# Altium PCB Solder_guide.PcbDoc
Units mil, origin at the board's own origin, x right, y up, seen from the top; angles counter-clockwise.
Board outline 6000 x 4000 mil, 2 copper layers (Top Layer, Bottom Layer); 20 components, 0 nets, 58 pads, 14 vias.
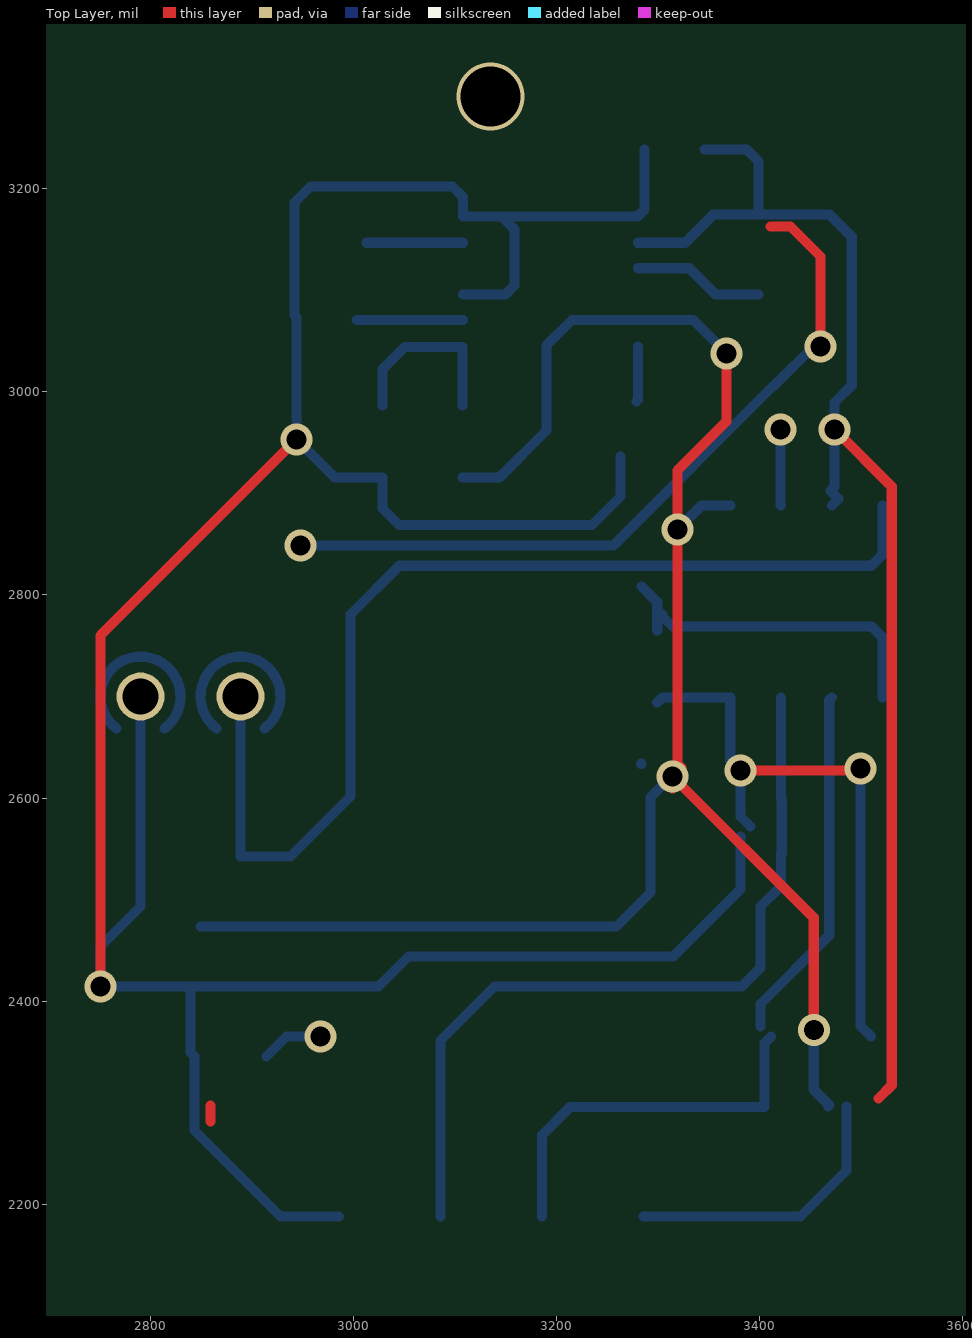
[diagram p0: Top Layer view]
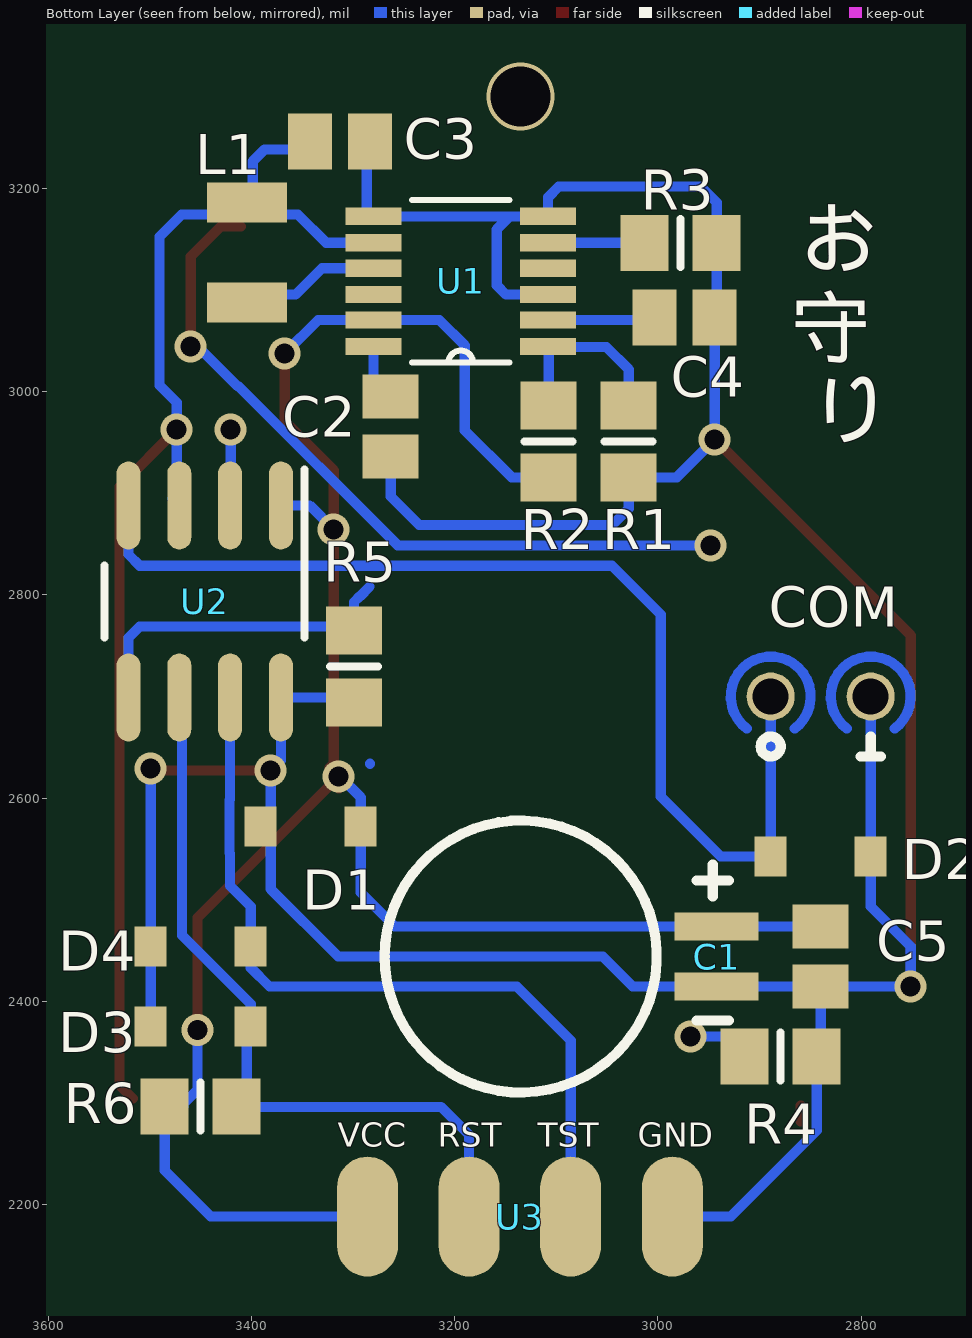
[diagram p1: Bottom Layer view, seen from below]

## Layer stack, top to bottom
Top Solder: solder mask 0.4, Solder Resist, Dk 3.5
Top Layer: signal copper 1.4
Dielectric 1: dielectric 12.6, FR-4, Dk 4.8
Bottom Layer: signal copper 1.4
Bottom Solder: solder mask 0.4, Solder Resist, Dk 3.5

## Board outline
1000,1000 7000,1000 7000,5000 1000,5000

## Design rules (kind name [scope] priority, off if disabled: settings)
Clearance [All] p1: gap=10 ignorepadtopadclearanceinfootprint=FALSE except(0: Arc-Hole Track-Hole SMDPad-Hole THPad-Hole Via-Hole Fill-Hole Poly-Hole Region-Hole Text-Hole)
PolygonConnect [All] p1: connectstyle=Relief reliefconductorwidth=10 reliefentries=4 polygonreliefangle="90 Angle" airgapwidth=10
RoutingVias [All] p1: holewidth=28 width=50 viastyle="Through Hole" minholewidth=28 minwidth=50 maxholewidth=28 maxwidth=50
SolderMaskExpansion [All] p1: expansion=4
Width [All] p1: maxlimit=10 minlimit=10 preferedwidth=10
30 further rules are at their usual default settings.

## Components (designator, comment, footprint, x,y, rotation, side; value= is the part's Value field where it differs from the comment)
C1 "DMS3R3224R Supercap" "DMS3R3224R SUPERCAP" 3135,2444.09 r180 bottom
C2 "Cap Semi" C0805 3262.95,2965.75 r90 bottom value=1uF
C3 "Cap Semi" C0805 3312.98,3246.26 r0 bottom value=10uF
C4 "Cap Semi" C0805 2973.58,3073.17 r180 bottom value=4.7uF
C5 "Cap Semi" C0805 2839.72,2444.09 r90 bottom value=100pF
COM "COM" SYNCHRONIZER 2790.51,2700 r90 bottom
D1 "ESD-Diode" SCHUTZDIODE 3302.32,2601.57 r0 bottom
D2 "ESD-Diode" SCHUTZDIODE 2879.09,2512.99 r180 bottom
D3 "ESD-Diode" SCHUTZDIODE 3410.59,2404.72 r0 bottom
D4 "ESD-Diode" SCHUTZDIODE 3410.59,2483.46 r0 bottom
L1 "Inductor" INDUCTIVITY 3463.43,3186.22 r270 bottom
R1 "Res3" 6-0805_N 3028.7,2951.12 r90 bottom value=510k
R2 "Res3" 6-0805_N 3107.44,2951.12 r270 bottom value=1.1M
R3 "Res3" 6-0805_N 2977.52,3146.6 r0 bottom value=300k
R4 "Res3" 6-0805_N 2879.09,2345.67 r0 bottom value=200
R5 "Res3" 6-0805_N 3299.07,2729.53 r90 bottom value=8.2M
R6 "Res3" 6-0805_N 3449.96,2296.46 r0 bottom value=47k
U1 "LTC3105EMSPBF" SOP65P490X110-12N 3194.06,3108.6 r0 bottom
U2 "MSP430G2210IDR" MSP430G2210 3446.02,2793.64 r270 bottom
U3 "Program_connector" PROGRAM_CONNECTOR 3285.79,2188.19 r270 bottom

## Footprints (in the part's own frame and the unit in brackets; to place one, negate y for a bottom-side part, rotate by r counter-clockwise, add the part's x,y. Pads: shape width x height; smd on the part's side, far side on the other; paste and mask are expansions set on the pad)
6-0805_N [mm] "Chip Resistor, Body 2.0x1.2mm, IPC Medium Density"
  rect 1.2x1.4 smd: 1(-0.9,0) 2(0.9,0)
  silkscreen extent 0,-0.6 0,0.6, body extent -1.07,-0.7 1.07,0.7, height 0.7
C0805 [mm] "Chip Capacitor, Body 2.0x1.3mm, IPC High Density"
  rect 1.1x1.4 smd: 1(-0.75,0) 2(0.75,0)
  body extent -1.1,-0.72 1.1,0.72, height 1.4
"DMS3R3224R SUPERCAP" [mm]
  rect 2.1x0.7 smd: 0(4.9,0.75) 1(4.9,-0.75)
  silkscreen extent -3.4,-3.4 5.2,3.4, body extent -3.4,-3.4 5.6,3.4, height 1.8
INDUCTIVITY [mm]
  rect 1x2 smd: 0(0,1.5) 1(2.5,1.5)
  body extent -0.25,0 2.75,3, height 1
MSP430G2210 [mm] "SOIC, 8-Leads, Body 4.9x3.9mm, Pitch 1.27mm, IPC Medium Density"
  oval 2.2x0.6 smd: 1(-2.4,1.905) 2(-2.4,0.635) 3(-2.4,-0.635) 4(-2.4,-1.905) 5(2.4,-1.905) 6(2.4,-0.635) 7(2.4,0.635) 8(2.4,1.905)
  silkscreen extent -3.3,-2.5 0.9,2.5, body extent -3,-2.45 3,2.45, height 1.63
PROGRAM_CONNECTOR [mil]
  oval 118.11x60 smd: 0(0,0) 1(0,100) 2(0,200) 3(0,300)
SCHUTZDIODE [mm]
  rect 0.8x1 smd: 1(-0.25,0.75) 2(2.25,0.75)
  body extent 0,0 2,1.5, height 1.15
SOP65P490X110-12N [mil]
  rect 55x17 smd: 1(-86,64) 2(-86,38) 3(-86,13) 4(-86,-13) 5(-86,-38) 6(-86,-64) 7(86,-64) 8(86,-38) 9(86,-13) 10(86,13) 11(86,38) 12(86,64)
  silkscreen extent -48,-80 48,80
SYNCHRONIZER [mm]
  round 1.2 hole 0.9: GND(0,0) Sync(0,2.5)
  Top Layer lines w0.254: -0.8,-0.6 ccw(c0,0) -0.8,0.6 ; -0.8,1.9 ccw(c0,2.5) -0.8,3.1
  silkscreen extent -1.5,-0.25 -1,2.75

## Part data
C1: Capacity=220mF
C2 C3 C4 C5: "Capacitor (Semiconductor SIM Model)", LatestRevisionDate=29-May-2009, LatestRevisionNote="IPC-7351 Footprint Added.", PackageDescription="Chip Capacitor", PackageReference=C1206, Published=8-Jun-2000, Publisher="Altium Limited"
L1: library part Inductivity
R1 R2 R3 R4 R5 R6: "Resistor", LatestRevisionDate=29-May-2009, LatestRevisionNote="IPC-7351 Footprint Added.", PackageDescription="Chip Resistor", PackageReference=J1-0603, Published=8-Jun-2000, Publisher="Altium Limited"
U1: "Ic Conv Dc/Dc Step Down 12-Msop", Package="MSOP-12 Linear Technology", Availability=Unavailable, MF="Linear Technology/Analog", MP=LTC3105EMS#PBF, Price=None, SnapEDA_Link=https://www.snapeda.com/parts/LTC3105EMS%23PBF/Linear%20Technology/Analog%20Devices/view-part/?ref=snap
U2: "MIXED SIGNAL MICROCONTROLLER, D0008A", Alternate Manufacturer="Texas Instruments", Alternate PartNumber=MSP430G2210ID, ComponentLink1Description="Datasheet Link", ComponentLink1URL=http://www.ti.com/lit/ds/symlink/msp430g2210.pdf, CompType=IC, LatestRevisionDate=2015-05-28, Manufacturer="Texas Instruments", MountType=SMT, PackageReference=D0008A, PartNumber=MSP430G2210IDR, Publisher="Texas Instruments", RoHS=Y, SymbolCreator=Altium, SymbolVersion=2015-05-26, U/M=EA

## Via types
v1: diameter 31.5, hole 19.68, Top Layer to Bottom Layer, 13 vias
v2: diameter 66.93, hole 59.06, Top Layer to Bottom Layer, 1 vias

## Nets (pads, with @x,y where several pads share a name; then routed paths per layer and width w, separated by ;. In a path a pad name is that pad's centre, name@x,y a point inside that pad or via, vN(x,y) a via of type N, cw(c..) or ccw(c..) an arc to the next point about the centre after c; other vN are vias at no path point)
pads on no net: C1.0 C1.1 C2.1 C2.2 C3.1 C3.2 C4.1 C4.2 C5.1 C5.2 COM.GND COM.Sync D1.1 D1.2 D2.1 D2.2 D3.1 D3.2 D4.1 D4.2 L1.0 L1.1 R1.1 R1.2 R2.1 R2.2 R3.1 R3.2 R4.1 R4.2 R5.1 R5.2 R6.1 R6.2 U1.1 U1.2 U1.3 U1.4 U1.5 U1.6 U1.7 U1.8 U1.9 U1.10 U1.11 U1.12 U2.1 U2.2 U2.3 U2.4 U2.5 U2.6 U2.7 U2.8 U3.0 U3.1 U3.2 U3.3
copper on no net: | length 11641.2
  Top Layer w10: v1(2751.14,2414.57) 2751.14,2760.18 v1(2944.05,2953.09) ; 2859.41,2281.83 2859.41,2297.58 ; v1@3314.13,2609.76 v1(3314.13,2621.26) ; v1(3367.28,3037.74) 3367.28,2970.81 3319.06,2922.58 v1(3319.06,2864.37) 3319.06,2634.05 3322.99,2630.12 v1(3314.13,2621.26) ; v1(3381.06,2627.17) 3493.07,2627.17 3497.01,2631.1 v1(3499.17,2628.94) ; 3410.59,3162.6 3430.28,3162.6 3459.8,3133.07 v1(3459.8,3044.49) ; v1(3453.15,2372.01) 3453.15,2482.24 v1(3314.13,2621.26) ; v1(3473.58,2962.93) 3529.92,2906.59 3529.92,2317.36 3516.89,2304.33
  Bottom Layer w10: 2790.51,2700 2790.51,2542.52 2790.51,2493.31 2751.14,2453.94 v1(2751.14,2414.57) 2839.72,2414.57 ; 2849.57,2473.62 2942.09,2473.62 3259.02,2473.62 3292.48,2507.09 3292.48,2572.05 3292.48,2600.76 3312.98,2621.26 v1(3314.13,2621.26) ; 2888.94,2700 2888.94,2542.52 2938.15,2542.52 2997.2,2601.57 2997.2,2780.71 3045.25,2828.75 3509.95,2828.75 3521.02,2839.82 3521.02,2888.13 ; 2914.53,2345.67 2934.21,2365.35 v1(2967.68,2365.35) ; v1(2947.99,2848.76) 3256.13,2848.76 3412.49,3005.12 3413.41,3005.12 v1@3456.29,3048 ; 2985.79,2188.19 2928.31,2188.19 2843.66,2272.83 2843.66,2345.67 2839.72,2349.61 2839.72,2414.57 ; 3003.11,3070.6 3108.06,3070.6 ; 3012.95,3146.6 3108.05,3146.6 ; 3028.7,2986.55 3028.7,3021.99 3050.7,3043.99 3107.44,3043.99 3107.44,2986.55 ; 3085.79,2188.19 3085.79,2361.42 3138.94,2414.57 3382.31,2414.57 3400.75,2433.01 3400.75,2453.94 3400.75,2493.31 3421.02,2513.58 3421.02,2545.52 3421.65,2546.15 3421.65,2597.95 3421.02,2598.58 3421.02,2699.15 ; 3107.44,2915.69 3143.99,2915.69 3190.12,2961.81 3190.12,3045.61 3215.11,3070.6 3280.06,3070.6 3334.42,3070.6 v1(3367.28,3037.74) ; 3108.06,3095.6 3149.56,3095.6 3158.62,3104.66 3158.62,3159.78 3145.8,3172.6 ; 3185.79,2188.19 3185.79,2268.5 3213.43,2296.14 3404.37,2296.14 3404.69,2296.46 3404.69,2358.86 3411.18,2365.35 ; 3262.95,2936.22 3262.95,2896.85 3234.86,2868.76 3044.98,2868.76 3028.7,2885.04 3028.7,2915.69 2981.46,2915.69 v1(2944.05,2953.09) 2944.05,3073.17 2942.09,3075.14 2942.09,3146.6 2942.09,3186.22 2957.83,3201.97 3097.6,3201.97 3108.06,3191.51 3108.06,3172.6 3145.8,3172.6 ; 3278.7,2990.49 3280.06,2991.85 3280.06,3044.6 ; 3280.06,3121.6 3330.66,3121.6 3356.66,3095.6 3398.78,3095.6 ; 3280.06,3146.6 3326.54,3146.6 3354.28,3174.34 3398.78,3174.34 ; 3283.39,2633.56 3283.39,2634 ; 3283.7,2808.27 3293.11,2798.86 3293.29,2798.86 3299.07,2793.08 3299.07,2775.49 ; 3285.79,2188.19 3440.12,2188.19 3485.39,2233.46 3485.39,2296.46 ; 3286.57,3238.52 3286.57,3179.12 3280.06,3172.6 3145.8,3172.6 ; 3299.07,2694.09 3304.13,2699.15 3371.02,2699.15 3371.02,2637.2 v1(3381.06,2627.17) 3381.06,2581.89 3390.91,2572.05 ; 3299.07,2764.96 3299.07,2775.49 ; v1(3319.06,2864.37) 3342.81,2888.13 3371.02,2888.13 ; 3345.63,3238.52 3386.97,3238.52 3398.78,3226.71 3398.78,3174.34 ; 3381.06,2562.2 3381.06,2510.43 3314.73,2444.09 3054.29,2444.09 3024.76,2414.57 2942.09,2414.57 2839.72,2414.57 ; 3400.75,2375.2 3400.75,2397.29 3468.43,2464.97 3468.43,2696.55 3471.02,2699.15 ; v1(3420.43,2962.93) 3420.43,2888.72 3421.02,2888.13 ; v1(3453.15,2372.01) 3453.15,2313.07 3468.43,2297.8 3467.09,2296.46 ; 3471.02,2888.13 3477.52,2894.62 3469.65,2902.5 3473.58,2906.44 v1(3473.58,2962.93) 3473.58,2989.37 3490.55,3006.34 3490.55,3152.66 3468.87,3174.34 3398.78,3174.34 ; v1(3499.17,2628.94) 3499.17,2453.94 3499.17,2375.79 3509.61,2365.35 ; 3521.02,2699.15 3521.02,2758.01 3510.14,2768.9 3314.13,2768.9 3304.29,2778.74 ; 3299.07,2775.49 3302.88,2779.3 ; 3302.88,2779.3 3303.44,2778.74 ; 3302.88,2779.3 3304.29,2780.71 3304.29,2778.74 ; 3303.44,2778.74 3304.29,2777.89 3304.29,2778.74 ; 3303.44,2778.74 3304.29,2778.74
  other v2: 3135,3290.55

## Silkscreen, mask and mechanical layers (free items; w line width, h text height)
Bottom Overlay:
  text "お" at 2859.41,3103.54 h98.43
  text "守" at 2869.25,3016.08 h98.43
  text "り" at 2849.57,2936.22 h98.43
Mechanical 5:
  lines w10: 2701.93,2217.72 2820.04,2099.61 3449.96,2099.61 3568.07,2217.72 3568.07,3241.34 3449.96,3359.45 2820.04,3359.45 2701.93,3241.34 2701.93,2217.72

## Text inside footprints (layer, text, board x,y; h text height)
U3: Bottom Overlay "VCC" at 3315.32,2257.09 h23.62; Bottom Overlay "RST" at 3216.89,2257.09 h23.62; Bottom Overlay "TST" at 3118.46,2257.09 h23.62; Bottom Overlay "GND" at 3020.04,2257.09 h23.62